# Altium PCB MCU014B_D1.PcbDoc (part 2 of 5) (continued)
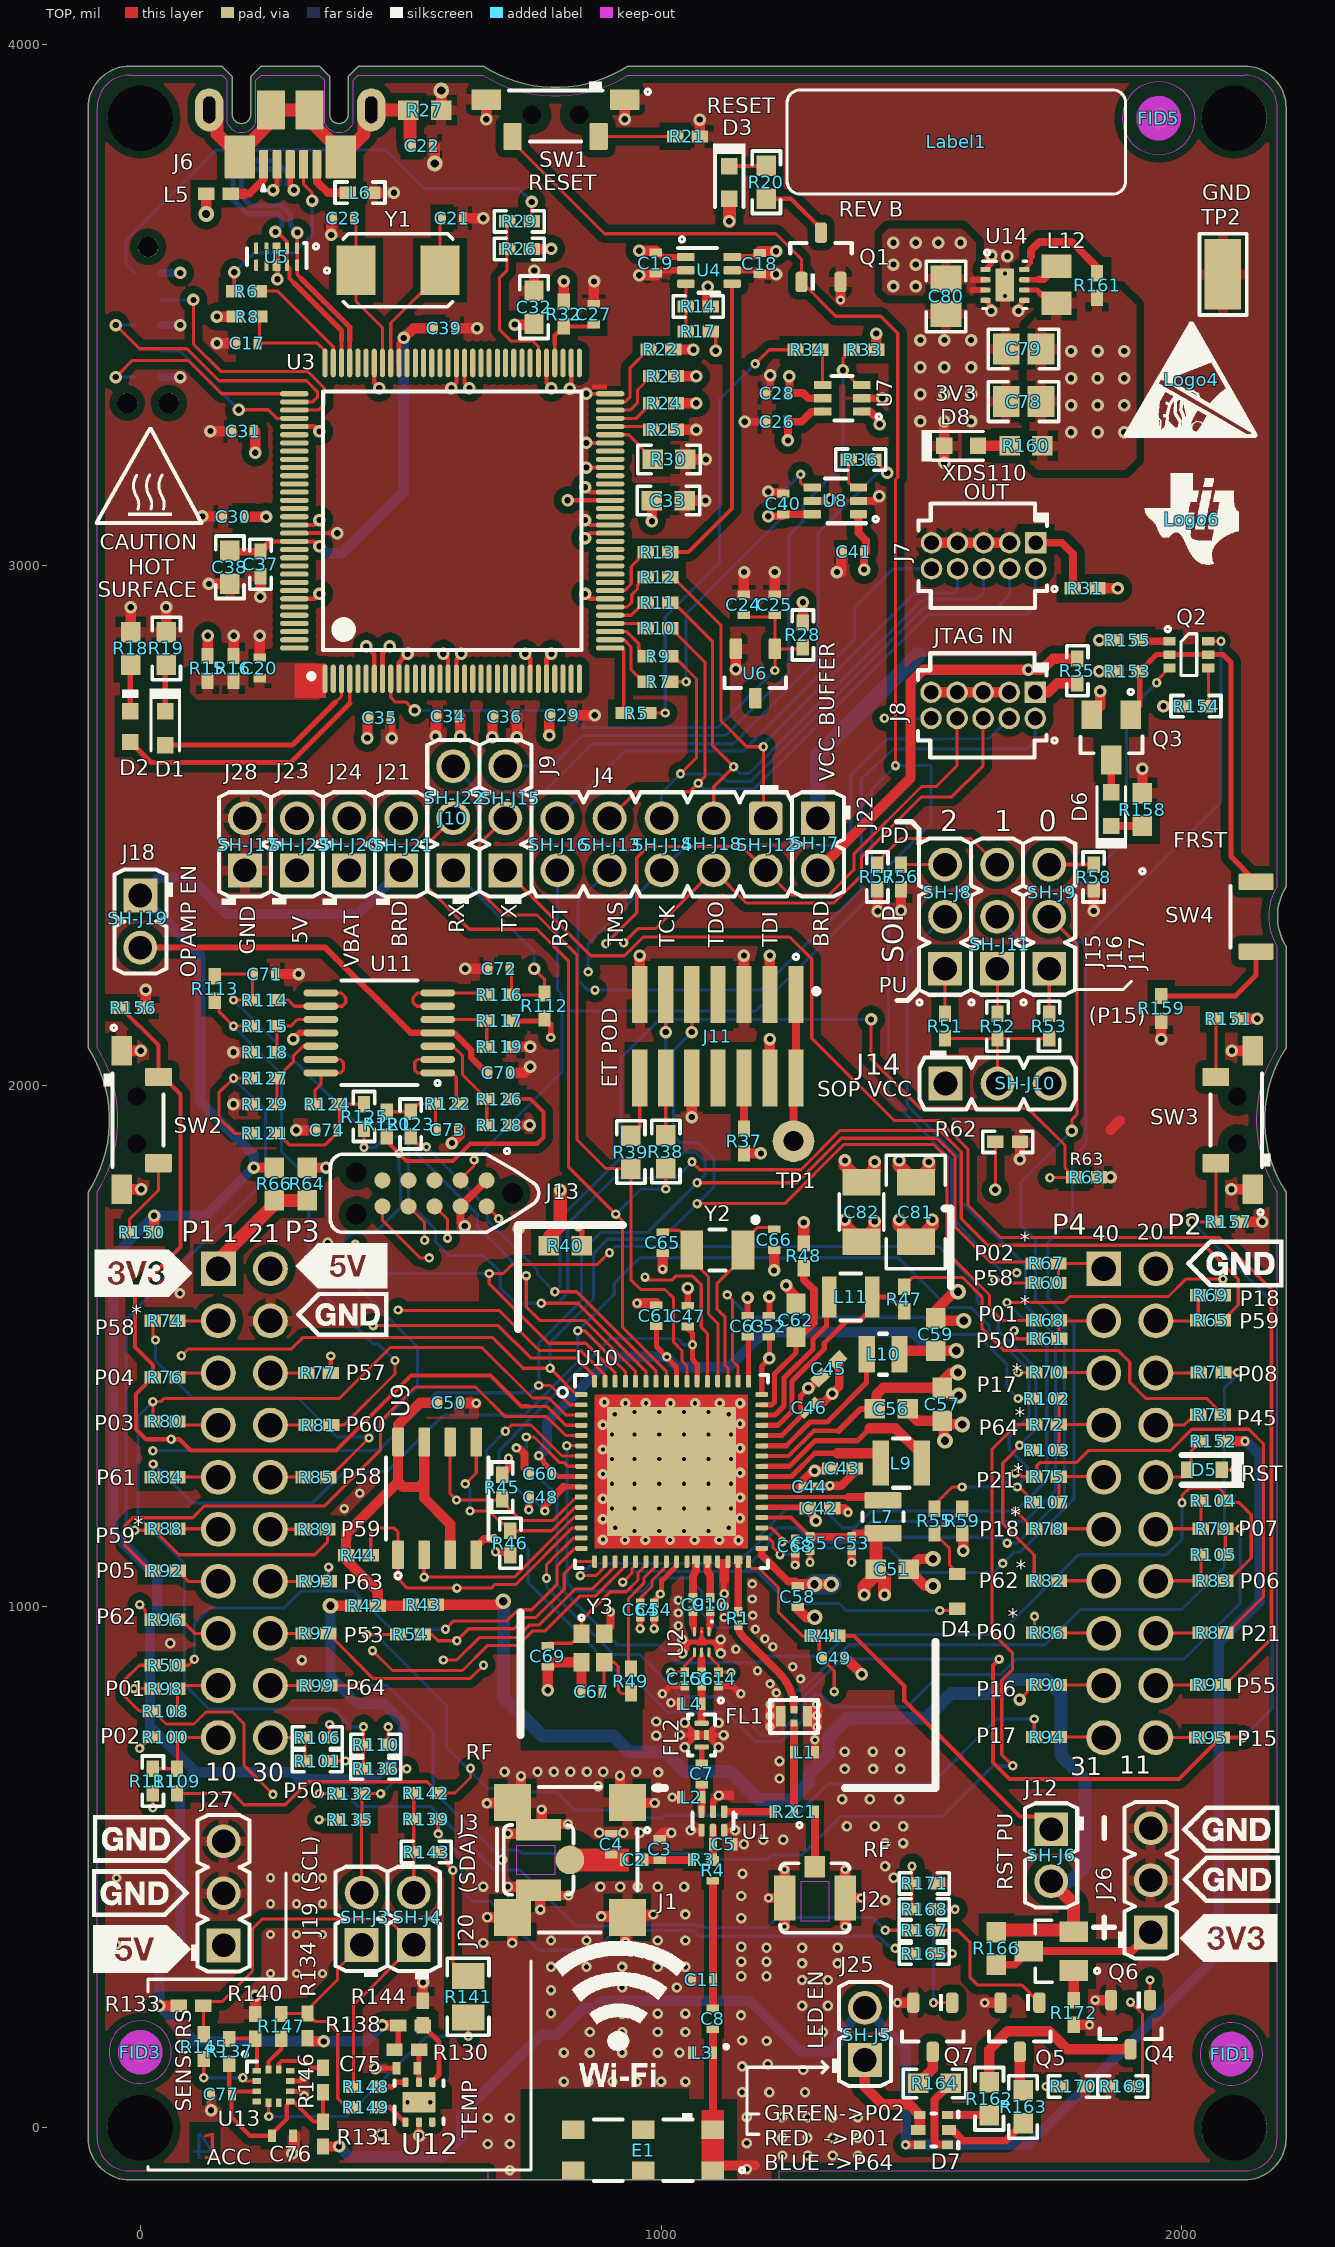
[diagram p0: TOP view]
## Part data (continued)
FL2: "Multilayer Band Pass Filter For 5GHz W-LAN/LTE-U", Alternate Manufacturer=----, Manufacturer=TDK, PartNumber=DEA165538BT-2236B1-H, Alternate PartNumber=----, ComponentLink1Description="Datasheet URL", ComponentLink1URL=https://sps06.itg.ti.com/sites/KMS/crossdivteams/altium/docs/ComponentDatasheets/DEA165538BT-2236B1-H_Ver_3_0_160802.pdf, CompType=Filter, LatestRevisionDate=09/03/2017, MountType=SMT, PackageReference=1.6x0.8mm, Publisher="Texas Instruments", RoHS=Y, SizeArea_mm2=1.28, SizeAreaWB_mm2=4.68, SizeX_mm=1.6, SizeY_mm=0.8, SizeZ_mm=0.65
J1: "Connector, SMA, Vertical, Gold, SMT", Alternate Manufacturer=??, Alternate PartNumber=SMA-050710, Manufacturer="Hus-Tsan Group Co., Ltd.", PartNumber=SMA-10V21-TGG, CNHeader=FALSE, ComponentLink1Description="Datasheet URL", ComponentLink1URL=https://sps06.itg.ti.com/sites/KMS/crossdivteams/altium/docs/ComponentDatasheets/SMA-10V21.pdf, CompType=SMA, CT=TRUE, LatestRevisionDate=26/05/2017, MountType=SMT, PackageReference="SMD, 4-Leads, Body 7.1x7.1mm", Publisher="Texas Instruments", RoHS=Y
J2 J3: library part CMP-0075320-1, "Receptacle, Ultra Miniature Coaxial, Male Pin, 50 ohm, SMT", Alternate Manufacturer=----, Color=Beige, Manufacturer="Hirose Electric Co. Ltd.", Supplier Part Number 1=H122041-ND, Alternate PartNumber=----, CNHeader=False, ComponentLink1Description="Datasheet URL", ComponentLink1URL=https://www.hirose.com/product/en/download_file/key_name/U.FL%2DR%2DSMT%2D1%2801%29/category/Drawing%20(2D)/doc_file_id/37625/?file_category_id=6&item_id=03310472201&is_series=, CompType=Receptacle, ContactFinish=Gold, CT=False, Gender=Female, LatestRevisionDate=2017-07-12, MountType=SMT, Orientation=Vertical, PackageReference="Ultra small CO-AX SMD", PartNumber=U.FL-R-SMT-1(01), PinCount=3, Publisher="Texas Instruments", RoHS=Y, Supplier 1=Digi-Key, Supplier 2=Newark, Supplier 3=Mouser, Supplier Part Number 2=18K7517, Supplier Part Number 3=798-U.FL-R-SMT01
J4: "Header, 2.54 mm, 5x2, Gold, TH", Alternate Manufacturer=----, Current_A=3A, Manufacturer="Wurth Elektronik", PartNumber=61301021121, Supplier Part Number 1=732-2672-ND, Voltage_V=250V, Alternate PartNumber=----, Cert_UL=Y, ClassName=Header, ComponentLink1Description="Datasheet URL", ComponentLink1URL=http://katalog.we-online.de/em/datasheet/6130xx21121.pdf, CompType=Header, ContactFinish=Gold, Gender=Male, Green_EU RoHS=Passed, Green_EU RoHS-2=Incomplete, Green_Lifecycle=Active, Green_REACh=Passed, MountType=TH, Orientation=Vertical, PackageReference="Header, 2.54mm, 5x2, TH", PinCount=10, Pitch_mm=2.54, RoHS=Y, Row_Count=2, RowSpacing_mm=2.54, Shrouded=N, Supplier 1=Digi-Key, Supplier 2=Newark, Supplier 3=Mouser, Supplier Part Number 2=16T0631, Supplier Part Number 3=710-61301021121
J5: "Footprint for Tag-Connect TC2050 No-Legs cables", Manufacturer=Tag-Connect, PartNumber=TC2050-IDC-NL-FP, CNHeader=False, ComponentLink1Description="Datasheet URL", ComponentLink1URL=http://www.tag-connect.com/Materials/TC2050-IDC-430-NL%20Datasheet.pdf, CompType=Receptacle, CT=False, LatestRevisionDate=2017-07-12, MountType=N/A, Note="Footprint only, to mate with Tag-Connect TC2050 No-Legs cables", PackageReference="Footprint for TC2050 No Legs series of cables", Publisher="Texas Instruments"
J6: "Receptacle, USB 2.0, Micro B, 5 Position, R/A, SMT", Alternate Manufacturer=----, Color=Black, Current_A=1.8A, Manufacturer=Molex, PartNumber=1051640001, Supplier Part Number 1=WM11263CT-ND, Voltage_V=30V, Alternate PartNumber=----, Cert_UL=Y, CNHeader=FALSE, ComponentLink1Description="Datasheet URL", ComponentLink1URL=http://www.molex.com/pdm_docs/sd/1051640001_sd.pdf, CompType=USB, ContactFinish=Gold, CT=TRUE, Gender=Female, LatestRevisionDate=26/05/2017, MountType=SMT, Orientation=R/A, PackageReference="Receptacle, USB 2.0, Micro B, 5 Pos, 0.65mm Pitch, R/A, SMT", PinCount=5, Pitch_mm=0.65, Publisher="Texas Instruments", RoHS=Y, Supplier 1=Digi-Key, Supplier 2=Newark, Supplier 3=Mouser, Supplier Part Number 2=99Y3224, Supplier Part Number 3=538-105164-0001
J7 J8: "Header, 1.27 mm, 5x2, Gold, TH", Alternate Manufacturer=----, Color=Black, Manufacturer=Samtec, PartNumber=FTSH-105-01-F-D-K, Supplier Part Number 1=FTSH-105-01-F-D-K-ND, Alternate PartNumber=----, CNHeader=False, ComponentLink1Description="Datasheet URL", ComponentLink1URL=https://www.samtec.com/ftppub/cpdf/FTSH-1XX-XX-XXX-D-XX-MKT.pdf, CompType=Header, ContactFinish=Gold, CT=False, Gender=Male, Green_EU RoHS=Passed, Green_EU RoHS-2=Passed, Green_Lifecycle=Active, Green_REACh=Passed, LatestRevisionDate=2017-07-12, MountType=TH, Orientation=Vertical, PackageReference="Header, 1.27 mm, 5x2, TH", PinCount=10, Pitch_mm=1.27, Publisher="Texas Instruments", RoHS=Y, Row_Count=2, RowSpacing_mm=1.27, Shrouded=Y, Supplier 1=Digi-Key, Supplier 2=Newark, Supplier Part Number 2=01R3389
J9 J10 J14 J15 J16 J17 J26 J27: "Header, 2.54 mm, 3x1, Gold, TH", Alternate Manufacturer=----, Manufacturer="Wurth Elektronik", PartNumber=61300311121, Supplier Part Number 1=732-5316-ND, Alternate PartNumber=----, ClassName=Header, CNHeader=TRUE, ComponentLink1Description="Datasheet URL", ComponentLink1URL=http://katalog.we-online.de/em/datasheet/6130xx11121.pdf, CompType=Header, CT=FALSE, Green_EU RoHS=Passed, Green_EU RoHS-2=Incomplete, Green_Lifecycle=Active, Green_REACh=Passed, LatestRevisionDate=26/05/2017, MountType=TH, PackageReference="Header, 2.54mm, 3x1, TH", Publisher="Texas Instruments", RoHS=Y, Supplier 1=Digi-Key, Supplier 2=Newark, Supplier 3=Farnell, Supplier Part Number 2=20X0950, Supplier Part Number 3=356154
J11: "Header, 1.27mm, 7x2, Gold, SMT", Alternate Manufacturer=----, Color=Black, Current_A=3.3A, Manufacturer=Samtec, PartNumber=FTSH-107-01-F-DV, Supplier Part Number 1=FTSH-107-01-F-DV-ND, Alternate PartNumber=----, Cert_UL=Y, ClassName=Header, CNHeader=TRUE, ComponentLink1Description="Datasheet URL", ComponentLink1URL=http://suddendocs.samtec.com/prints/ftsh-1xx-xx-xxx-dv-xxx-mkt.pdf, CompType=Header, ContactFinish=Gold, CT=FALSE, Gender=Male, Green_EU RoHS=Passed, Green_EU RoHS-2=Passed, Green_Lifecycle=Active, Green_REACh=Passed, LatestRevisionDate=26/05/2017, MountType=SMT, Orientation=Vertical, PackageReference="Header, 1.27mm, 7x2, SMT", PinCount=14, Pitch_mm=1.27, Publisher="Texas Instruments", RoHS=Y, Row_Count=2, RowSpacing_mm=1.27, Shrouded=N, Supplier 1=Digi-Key, Supplier 2=Newark, Supplier Part Number 2=01R3946
J12 J18 J19 J20 J21 J22 J23 J24 J25 J28: "Header, 2.54 mm, 2x1, Gold, TH", Alternate Manufacturer=----, Manufacturer="Wurth Elektronik", PartNumber=61300211121, Supplier Part Number 1=732-5315-ND, Alternate PartNumber=----, ClassName=Header, CNHeader=TRUE, ComponentLink1Description="Datasheet URL", ComponentLink1URL=http://katalog.we-online.de/em/datasheet/6130xx11121.pdf, CompType=Header, CT=FALSE, Green_EU RoHS=Passed, Green_EU RoHS-2=Incomplete, Green_Lifecycle=Active, Green_REACh=Passed, LatestRevisionDate=26/05/2017, MountType=TH, PackageReference="Header, 2.54mm, 2x1, TH", Publisher="Texas Instruments", RoHS=Y, Supplier 1=Digi-Key, Supplier 2=Newark, Supplier 3=Mouser, Supplier Part Number 2=20X0948, Supplier Part Number 3=710-61300211121
J13: library part CMP-0075101-1, "Footprint for Tag-Connect TC2050 No-Legs cables", Manufacturer=Tag-Connect, CNHeader=False, ComponentLink1Description="Datasheet URL", ComponentLink1URL=http://www.tag-connect.com/Materials/TC2050-IDC-430-NL%20Datasheet.pdf, CompType=Receptacle, CT=False, LatestRevisionDate=2017-07-12, MountType=N/A, Note="Footprint only, to mate with Tag-Connect TC2050 No-Legs cables", PackageReference="Footprint for TC2050 No Legs series of cables", PartNumber=TC2050-IDC-NL-FP, Publisher="Texas Instruments"
L1: library part CMP-0080371-1, "Inductor, Multilayer, Air Core, 22 nH, 0.35 A, 0.42 ohm, AEC-Q200 Grade 1, SMD", Manufacturer=MuRata, Supplier Part Number 1=490-15154-1-ND, Value1="0.42 ohm", Value2=0.35A, ValueDisplayed=22nH, AEC Category=Q200, AEC Grade=1, AEC Qualified=Y, ComponentLink1Description="Datasheet link", ComponentLink1URL=https://search.murata.co.jp/Ceramy/image/img/P02/JELF243B-9110.pdf, CompType=Inductor, DCR_ohm=0.42, Imax_A=350mA, Ind_H=22nH, Irms="0.35A @ 25C rise", Material="Air Core", MountType=SMT, PackageReference=0402, PartNumber=LQG15HZ22NH02D, RoHS=Y, SizeArea_mm2=0.5, SizeAreaWB_mm2=3, SizeX_mm=1, SizeY_mm=0.5, SizeZ_mm=0.55, Supplier 1=Digi-Key, Supplier 2=Mouser, Supplier Part Number 2=81-LQG15HZ22NH02D, Technology=Multilayer
L2: library part CMP-0080372-1, "Inductor, Multilayer, Air Core, 6.8 nH, 0.6 A, 0.22 ohm, AEC-Q200 Grade 1, SMD", Manufacturer=MuRata, Supplier Part Number 1=490-15174-1-ND, Value1="0.22 ohm", Value2=0.6A, ValueDisplayed=6.8nH, AEC Category=Q200, AEC Grade=1, AEC Qualified=Y, ComponentLink1Description="Datasheet link", ComponentLink1URL=https://search.murata.co.jp/Ceramy/image/img/P02/JELF243B-9110.pdf, CompType=Inductor, DCR_ohm=0.22, Imax_A=600mA, Ind_H=6.8nH, Irms="0.6A @ 25C rise", Material="Air Core", MountType=SMT, PackageReference=0402, PartNumber=LQG15HZ6N8H02D, RoHS=Y, SizeArea_mm2=0.5, SizeAreaWB_mm2=3, SizeX_mm=1, SizeY_mm=0.5, SizeZ_mm=0.55, Supplier 1=Digi-Key, Supplier 2=Mouser, Supplier Part Number 2=81-LQG15HZ6N8H02D, Technology=Multilayer
L3: "Inductor, Multilayer, Air Core, 3.9 nH, 0.75 A, 0.14 ohm, SMD", Manufacturer=MuRata, PartNumber=LQG15HS3N9S02D, Supplier Part Number 1=490-2617-1-ND, Value1="0.14 ohm", Value2=0.75A, ValueDisplayed=3.9nH, AEC Category=Q200, AEC Grade=N/A, AEC Qualified=N, ComponentLink1Description="Datasheet link", ComponentLink1URL=https://search.murata.co.jp/Ceramy/image/img/P02/JELF243B-0010.pdf, CompType=Inductor, DCR_ohm=0.14, Green_EU RoHS=Passed, Green_EU RoHS-2=Incomplete, Green_Lifecycle=Active, Green_REACh=Passed, Imax_A=750mA, Ind_H=3.9nH, Irms="0.75A @ 25C rise", Material="Air Core", MountType=SMT, PackageReference="0402 polarized", RoHS=Y, SizeArea_mm2=0.5, SizeAreaWB_mm2=3, SizeX_mm=1, SizeY_mm=0.5, SizeZ_mm=0.55, Supplier 1=Digi-Key, Supplier 2=Mouser, Supplier Part Number 2=81-LQG15HS3N9S02D, Technology=Multilayer
L4: library part CMP-0080374-1, "Inductor, Multilayer, Air Core, 2.7 nH, 0.9 A, 0.07 ohm, AEC-Q200 Grade 1, SMD", Manufacturer=MuRata, Supplier Part Number 1=490-15215-1-ND, Value1="0.07 ohm", Value2=0.9A, ValueDisplayed=2.7nH, AEC Category=Q200, AEC Grade=1, AEC Qualified=Y, ComponentLink1Description="Datasheet link", ComponentLink1URL=https://search.murata.co.jp/Ceramy/image/img/P02/JELF243B-9118.pdf, CompType=Inductor, DCR_ohm=0.07, Imax_A=900mA, Ind_H=2.7nH, Irms="0.9A @ 25C rise", Material="Air Core", MountType=SMT, PackageReference=0402, PartNumber=LQG15WH2N7C02D, RoHS=Y, SizeArea_mm2=0.6, SizeAreaWB_mm2=3.2, SizeX_mm=1, SizeY_mm=0.6, SizeZ_mm=0.6, Supplier 1=Digi-Key, Supplier 2=Mouser, Supplier Part Number 2=81-LQG15WH2N7C02D, Technology=Multilayer
L5 L6: "Ferrite Bead, 10 ohm @ 100 MHz, 1 A, 0402", Alternate Manufacturer=----, Manufacturer=MuRata, PartNumber=BLM15AG100SN1D, Supplier Part Number 1=490-5176-1-ND, Value1="0.025 ohm", Value2=1A, ValueDisplayed="10 ohm", Alternate PartNumber=----, ComponentLink1Description="Datasheet link", ComponentLink1URL=http://search.murata.co.jp/Ceramy/image/img/PDF/ENG/L0110S0100BLM15AG_SN.pdf, CompType="Ferrite Bead", DCR_ohm=0.025, Imax_A=1A, LatestRevisionDate=2017-03-09, MountType=SMT, PackageReference=0402, Published=2014-04-30, Publisher="Texas Instruments", RoHS=Y, SizeArea_mm2=0.5, SizeAreaWB_mm2=3, SizeX_mm=1, SizeY_mm=0.5, SizeZ_mm=0.6, Supplier 1=Digi-Key, Supplier 2=Newark, Supplier 3=Mouser, Supplier Part Number 2=73M9021, Supplier Part Number 3=81-BLM15AG100SN1D, ZTyp@100MHz_Ohm=10
L7 L10: "Inductor, Multilayer, Ferrite, 2.2 uH, 1.2 A, 0.11 ohm, SMD", Alternate Manufacturer=----, Manufacturer=MuRata, PartNumber=LQM2MPN2R2NG0, Supplier Part Number 1=490-7786-1-ND, Value1="0.11 ohm", Value2=1.2A, ValueDisplayed=2.2uH, AEC Category=Q200, AEC Grade=N/A, AEC Qualified=N, Alternate PartNumber=----, ComponentLink1Description="Datasheet link", ComponentLink1URL=http://www.murata.com/~/media/webrenewal/support/library/catalog/products/inductor/chip/o05e.ashx, CompType=Inductor, DCR_ohm=1.1d, Imax_A=1.2A, Ind_H=2.2µH, Irms="1.2A @ 40C rise", LatestRevisionDate=2017-06-02, Material=Ferrite, MountType=SMT, PackageReference=2.0x1.6mm, Published=2008-06-26, Publisher="Texas Instruments", RoHS=Y, SizeArea_mm2=3.2, SizeAreaWB_mm2=7.8, SizeX_mm=2, SizeY_mm=1.6, SizeZ_mm=1, Supplier 1=Digi-Key, Supplier 2=Newark, Supplier 3=Mouser, Supplier Part Number 2=45Y5442, Supplier Part Number 3=81-LQM2MPN2R2NG0L, Technology=Multilayer
L9: "Inductor, Multilayer, Ferrite, 1 uH, 1.6 A, 0.055 ohm, SMD", Alternate Manufacturer=----, Manufacturer=MuRata, PartNumber=LQM2HPN1R0MG0L, Supplier Part Number 1=490-5112-1-ND, Value1="0.055 ohm", Value2=1.6A, ValueDisplayed=1uH, AEC Category=Q200, AEC Qualified=?, Alternate PartNumber=----, ComponentLink1Description="Datasheet link", ComponentLink1URL=http://psearch.murata.com/inductor/product/LQM2HPN1R0MG0%23.pdf, CompType=Inductor, DCR_ohm=0.055, Green_EU RoHS=Passed, Green_EU RoHS-2=Incomplete, Green_Lifecycle=Active, Green_REACh=Passed, Imax_A=1.6A, Ind_H=1µH, Irms="1.6A @ 40C rise", LatestRevisionDate=2017-06-02, Material=Ferrite, MountType=SMT, PackageReference="SMD, Body 2.5x2mm, Height 1.2mm", Published=2008-06-26, Publisher="Texas Instruments", RoHS=Y, SizeArea_mm2=5, SizeAreaWB_mm2=10.5, SizeX_mm=2.5, SizeY_mm=2, SizeZ_mm=1.2, Supplier 1=Digi-Key, Supplier 2=Mouser, Supplier Part Number 2=81-LQM2HPN1R0MG0L, Technology=Multilayer
L11: "Inductor, Multilayer, Ferrite, 10 uH, 0.7 A, 0.364 ohm, SMD", Alternate Manufacturer=----, Manufacturer=TDK, PartNumber=MLP2520S100MT0S1, Supplier Part Number 1=445-9504-1-ND, Value1="0.364 ohm", Value2=0.7A, ValueDisplayed=10uH, AEC Category=Q200, AEC Grade=N/A, AEC Qualified=N, Alternate PartNumber=----, ComponentLink1Description="Datasheet link", ComponentLink1URL=https://product.tdk.com/info/en/catalog/datasheets/inductor_commercial_power_mlp2520_en.pdf, CompType=Inductor, DCR_ohm=3.64d, Imax_A=7dA, Ind_H=10µH, Irms="0.7A @ 40C rise", LatestRevisionDate=2017-06-02, Material=Ferrite, MountType=SMT, PackageReference="Inductor, 2.5x0.85x2mm", Published=2008-06-26, Publisher="Texas Instruments", RoHS=Y, SizeArea_mm2=5.94, SizeAreaWB_mm2=11.84, SizeX_mm=2.7, SizeY_mm=2.2, SizeZ_mm=1, Supplier 1=Digi-Key, Supplier 2=Newark, Supplier 3=Mouser, Supplier Part Number 2=75X8736, Supplier Part Number 3=810-MLP2520S100MT0S1, Technology=Multilayer
L12: "Inductor, Wirewound, 2.2 uH, 1 A, 0.143 ohm, SMD", Alternate Manufacturer=----, Manufacturer="Taiyo Yuden", PartNumber=BRC2012T2R2MD, Supplier Part Number 1=587-2905-1-ND, Value1="0.143 ohm", Value2=1A, ValueDisplayed=2.2uH, AEC Category=Q200, AEC Qualified=?, Alternate PartNumber=----, ComponentLink1Description="Datasheet link", ComponentLink1URL=http://www.yuden.co.jp/ut/product/category/inductor/BRC2012T2R2MD.pdf, CompType=Inductor, DCR_ohm=1.43d, Green_EU RoHS=Passed, Green_EU RoHS-2=Passed, Green_Lifecycle=Active, Green_REACh=Passed, Imax_A=1A, Ind_H=2.2µH, Irms="1A @ 40C rise", Isat="1.1A @ 30% inductance drop", LatestRevisionDate=2017-06-02, Material=?, MountType=SMT, PackageReference=0805, Published=2008-06-26, Publisher="Texas Instruments", RoHS=Y, SizeArea_mm2=2.5, SizeAreaWB_mm2=6.75, SizeX_mm=2, SizeY_mm=1.25, SizeZ_mm=1.45, Supplier 1=Digi-Key, Supplier 2=Newark, Supplier 3=Mouser, Supplier Part Number 2=46T8527, Supplier Part Number 3=963-BRC2012T2R2MD, Technology=Wirewound
Label1: "Thermal Transfer Printable Labels, 0.650\" W x 0.200\" H - 10,000 per roll", Alternate Manufacturer=----, Manufacturer=Brady, PartNumber=THT-14-423-10, Supplier Part Number 1=97C5133, Alternate PartNumber=----, ClassName=Label, ComponentLink1Description="Web Page", ComponentLink1URL=http://www.bradyid.com/bradyid/pdpv/THT-14-423-10.html, CompType=Label, Key=THT-14-423-10, LatestRevisionDate=2017-03-09, MountType=N/A, Note="Size: 0.65\" x 0.20 \"", PackageReference="PCB Label 0.650 x 0.200 inch", Publisher="Texas Instruments", RoHS=Y, Supplier 1=Newark, Supplier 2=Farnell, Supplier Part Number 2=2065596
Logo1: library part CMP-0074769-1, Lib Reference="WEEE logo", PartNumber="WEEE logo"
Logo2 Logo6: library part CMP-0074838-1, "Texas Instrument Corporate Signature", ClassName=Logo, LatestRevisionDate=2017-07-06, Lib Reference=TI_Logo, PartNumber="Texas Instruments", Published=2009-03-03, Publisher="Texas Instruments", SymbolCreator=a0412235, SymbolVersion=2011-08-22
Logo3: library part CMP-0074847-1, "FCC_disclaimer", LatestRevisionDate=2017-07-06, Lib Reference=FCC_disclaimer, PartNumber="FCC disclaimer", Published=2009-03-03, Publisher="Texas Instruments"
Logo4: library part CMP-0074840-1, "ESD Susceptible Symbol", LatestRevisionDate=2017-07-06, Lib Reference=ESD_Susceptible, PartNumber="ESD Susceptible", Published=2009-03-03, Publisher="Texas Instruments", SymbolCreator=a0412235, SymbolVersion=2011-08-22
Logo5: "CE Mark", LatestRevisionDate=2017-07-06, Lib Reference="CE Mark", PartNumber="CE Mark", Published=2009-03-03, Publisher="Texas Instruments", SymbolCreator=a0412235
P1 P2: library part CMP-0075108-1, "Receptacle, 2.54 mm, 10x2, Gold, TH", Alternate PartNumber="Order Directly from Major League", Manufacturer="Major League Electronics", CNHeader=False, ComponentLink1Description="Datasheet URL", ComponentLink1URL=https://sps06.itg.ti.com/sites/KMS/crossdivteams/altium/docs/ComponentDatasheets/081413-A.PDF, CompType=Receptacle, CT=False, Green_EU RoHS=Incomplete, Green_EU RoHS-2=Incomplete, Green_Lifecycle="Not Set", Green_REACh=Incomplete, LatestRevisionDate=2017-07-12, MountType=TH, PackageReference="Receptacle, 2.54 mm, 10x2, TH", PartNumber=CRD-081413-A-G, Publisher="Texas Instruments", RoHS=Y
Q1 Q4 Q5 Q7: "MOSFET, N-CH, 50 V, 0.22 A, SOT-23", Alternate Manufacturer=ON, Alternate PartNumber=BSS138LT1G, Manufacturer="Fairchild Semiconductor", PartNumber=BSS138, Supplier Part Number 1=BSS138CT-ND, Value2="1.7 nC", AEC Category=Q101, AEC Qualified=?, ChType=N, ComponentLink1Description="Datasheet link", ComponentLink1URL=http://www.fairchildsemi.com/ds/BS/BSS138.pdf, CompType=MOSFET, IdsMax_A=2.2dA, LatestRevisionDate=2017-03-09, LatestRevisionNote="Added parts.", MountType=SMT, PackageReference=SOT-23, Published=2008-06-19, Publisher="Texas Instruments", QgTyp_nC=1.7, Rdson45_ohm=6, RoHS=Y, SizeArea_mm2=7.5, SizeAreaWB_mm2=14, SizeX_mm=2.5, SizeY_mm=3, SizeZ_mm=1.1, Supplier 1=Digi-Key, Supplier 2=Newark, Supplier 3=Mouser, Supplier Part Number 2=58K8769, Supplier Part Number 3=512-BSS138, U/M=EA, VdsMax_V=50V, Vgs_V=20V
Q2: "MOSFET, 2-CH, P-CH, -50 V, -0.13 A, AEC-Q101, SOT-363", Alternate Manufacturer=----, Manufacturer="Diodes Inc.", PartNumber=BSS84DW-7-F, Supplier Part Number 1=BSS84DW-FDICT-ND, AEC Category=Q101, AEC Qualified=Y, Alternate PartNumber=----, ChType=P, ComponentLink1Description="Datasheet link", ComponentLink1URL=http://www.diodes.com/_files/datasheets/ds30204.pdf, CompType=MOSFET, IdsMax_A=-1.3dA, LatestRevisionDate=2017-03-09, LatestRevisionNote="Added parts.", MountType=SMT, PackageReference=SOT-363, Published=2008-06-19, Publisher="Texas Instruments", RoHS=Y, SizeArea_mm2=4.84, SizeAreaWB_mm2=10.24, SizeX_mm=2.2, SizeY_mm=2.2, SizeZ_mm=1.1, Supplier 1=Digi-Key, Supplier 2=Newark, Supplier 3=Mouser, Supplier Part Number 2=25R4431, Supplier Part Number 3=621-BSS84DW-F, U/M=EA, VdsMax_V=-50V, Vgs_V=-20V
Q3 Q6: "MOSFET, P-CH, -30 V, -1.5 A, SSOT-3", Alternate Manufacturer=----, Manufacturer="Fairchild Semiconductor", PartNumber=FDN358P, Supplier Part Number 1=FDN358PCT-ND, Value1=0, Value2="4 nC", AEC Category=Q101, AEC Qualified=?, Alternate PartNumber=----, ChType=P, ComponentLink1Description="Datasheet link", ComponentLink1URL=http://www.fairchildsemi.com/ds/FD/FDN358P.pdf, CompType=MOSFET, IdsMax_A=-1.5A, LatestRevisionDate=2017-03-09, LatestRevisionNote="Added parts.", MountType=SMT, PackageReference=SSOT-3, Published=2008-06-19, Publisher="Texas Instruments", QgTyp_nC=4, Rdson45_ohm=2d, RoHS=Y, SizeArea_mm2=7.3584, SizeAreaWB_mm2=13.7984, SizeX_mm=2.92, SizeY_mm=2.52, SizeZ_mm=1.12, Supplier 1=Digi-Key, Supplier 2=Newark, Supplier 3=Mouser, Supplier Part Number 2=32C6163, Supplier Part Number 3=512-FDN358P, U/M=EA, VdsMax_V=-30V, Vgs_V=-20V
R1: library part CMP-0027008-4, "RES, 0, 5%, 0.05 W, 0201", Manufacturer=Vishay-Dale, Power_W=50mW, Supplier Part Number 1=72M6743, TempCo=ppm/C, Tolerance_%=5%, Value2=0.05W, Value_Code=0000, ValueDisplayed=0, AEC Category=Q200, AEC Grade=N/A, AEC Qualified=N, ComponentLink1Description="Datasheet link", ComponentLink1URL=http://www.vishay.com/docs/20052/crcw0201e3.pdf, CompType=Resistor, EIA_Code=E24, MountType=SMT, PackageReference=0201, PartNumber=CRCW02010000Z0ED, Res_ohm=0, RoHS=E, SizeArea_mm2=0.18, SizeX_mm=0.6, SizeY_mm=0.3, SizeZ_mm=0.26, Supplier 1=Newark, Technology="Thick Film", Value1=5%
R2 R3 R4 R6 R42 R43 R47 R48 R49 R50 R54 R60 R61 R65 R67 R68 R69 R70 R71 R72 R73 R74 R75 R76 R77 R78 R79 R80 R81 R82 R83 R84 R85 R86 R87 R88 R89 R90 R91 R92 R93 R94 R95 R96 R97 R98 R99 R100 R101 R102 R103 R104 R105 R106 R107 R108 R109 R110 R111 R112 R113 R120 R121 R123 R125 R130 R131 R132 R135 R136 R137 R138 R139 R140 R142 R143 R144 R145 R146 R147 R148 R149 R165 R167 R168 R172: "RES, 0, 5%, 0.063 W, 0402", Alternate Manufacturer=YAGEO, Alternate PartNumber=RC0402JR-070RL, Manufacturer=Panasonic, PartNumber=ERJ-2GE0R00X, Power_W=63mW, Supplier Part Number 1=P0.0JCT-ND, TempCo="600 ppm/C", Tolerance_%=5%, Value2=0.063W, Value_Code=0000, ValueDisplayed=0, AEC Category=Q200, AEC Qualified=?, ComponentLink1Description="Datasheet link", ComponentLink1URL=http://www.panasonic.com/industrial/components/pdf/AOA0000CE1.pdf, CompType=Resistor, EIA_Code=E24, LatestRevisionDate=2017-03-09, MountType=SMT, PackageReference=0402, Published=2008-06-26, Publisher="Texas Instruments", Res_ohm=0, RoHS=Y, SizeArea_mm2=0.5, SizeX_mm=1, SizeY_mm=0.5, SizeZ_mm=0.6, Supplier 1=Digi-Key, Supplier 2=Newark, Supplier 3=Mouser, Supplier Part Number 2=65T8307, Supplier Part Number 3=667-ERJ-2GE0R00X, Technology="Thick Film", U/M=EA, Value1=5%, VDC_V=50V
R5 R7 R9 R10 R11 R12 R13 R34 R36: "RES, 33.0, 1%, 0.1 W, 0402", Alternate Manufacturer=YAGEO, Alternate PartNumber=RC0402FR-0733RL, Manufacturer=Panasonic, PartNumber=ERJ-2RKF33R0X, Power_W=100mW, Supplier Part Number 1=P33.0LCT-ND, TempCo="100 ppm/C", Tolerance_%=1%, Value2=0.1W, Value_Code=33R0, ValueDisplayed=33.0, AEC Category=Q200, AEC Qualified=?, ComponentLink1Description="Datasheet link", ComponentLink1URL=http://industrial.panasonic.com/www-data/pdf/AOA0000/AOA0000CE2.pdf, CompType=Resistor, LatestRevisionDate=2017-03-09, MountType=SMT, PackageReference=0402, Published=2008-06-26, Publisher="Texas Instruments", Res_ohm=33, RoHS=Y, SizeArea_mm2=0.5, SizeX_mm=1, SizeY_mm=0.5, SizeZ_mm=0.6, Supplier 1=Digi-Key, Supplier 2=Newark, Supplier 3=Mouser, Supplier Part Number 2=90W3028, Supplier Part Number 3=667-ERJ-2RKF33R0X, Technology="Thick Film", U/M=EA, Value1=1%, VDC_V=50V
R8: "RES, 100, 5%, 0.063 W, AEC-Q200 Grade 0, 0402", Alternate Manufacturer=YAGEO, Alternate PartNumber=RC0402JR-07100RL, Manufacturer=Vishay-Dale, PartNumber=CRCW0402100RJNED, Power_W=63mW, Supplier Part Number 1=541-100JCT-ND, TempCo="200 ppm/C", Tolerance_%=5%, Value2=0.063W, Value_Code=100R, ValueDisplayed=100, AEC Category=Q200, AEC Grade=0, AEC Qualified=Y, ComponentLink1Description="Datasheet link", ComponentLink1URL=http://www.vishay.com/docs/20035/dcrcwe3.pdf, CompType=Resistor, EIA_Code=E24, MountType=SMT, PackageReference=0402, Res_ohm=100, RoHS=E, SizeArea_mm2=0.5, SizeX_mm=1, SizeY_mm=0.5, SizeZ_mm=0.6, Supplier 1=Digi-Key, Supplier 2=Newark, Supplier 3=Mouser, Supplier Part Number 2=59M6700, Supplier Part Number 3=71-CRCW0402J-100-E3, Technology="Thick Film", Value1=5%, VDC_V=50V
R14 R33 R41 R44 R45 R46 R56 R62 R63 R152 R161 R169 R170 R171: "RES, 100 k, 5%, 0.063 W, AEC-Q200 Grade 0, 0402", Alternate Manufacturer=YAGEO, Alternate PartNumber=RC0402JR-07100KL, Manufacturer=Vishay-Dale, PartNumber=CRCW0402100KJNED, Power_W=63mW, Supplier Part Number 1=541-100KJCT-ND, TempCo="200 ppm/C", Tolerance_%=5%, Value2=0.063W, Value_Code=100k, AEC Category=Q200, AEC Grade=0, AEC Qualified=Y, ComponentLink1Description="Datasheet link", ComponentLink1URL=http://www.vishay.com/docs/20035/dcrcwe3.pdf, CompType=Resistor, EIA_Code=E24, MountType=SMT, PackageReference=0402, Res_ohm=100k, RoHS=E, SizeArea_mm2=0.5, SizeX_mm=1, SizeY_mm=0.5, SizeZ_mm=0.6, Supplier 1=Digi-Key, Supplier 2=Newark, Supplier 3=Mouser, Supplier Part Number 2=59M6699, Supplier Part Number 3=71-CRCW0402J-100K-E3, Technology="Thick Film", Value1=5%, ValueDisplayed=100k, VDC_V=50V
R15: "RES, 330 k, 5%, 0.063 W, AEC-Q200 Grade 0, 0402", Alternate Manufacturer=YAGEO, Alternate PartNumber=RC0402JR-07330KL, Manufacturer=Vishay-Dale, PartNumber=CRCW0402330KJNED, Power_W=63mW, Supplier Part Number 1=541-330KJCT-ND, TempCo="200 ppm/C", Tolerance_%=5%, Value2=0.063W, Value_Code=330k, AEC Category=Q200, AEC Grade=0, AEC Qualified=Y, ComponentLink1Description="Datasheet link", ComponentLink1URL=http://www.vishay.com/docs/20035/dcrcwe3.pdf, CompType=Resistor, EIA_Code=E24, MountType=SMT, PackageReference=0402, Res_ohm=330k, RoHS=E, SizeArea_mm2=0.5, SizeX_mm=1, SizeY_mm=0.5, SizeZ_mm=0.6, Supplier 1=Digi-Key, Technology="Thick Film", Value1=5%, ValueDisplayed=330k, VDC_V=50V
R16: "RES, 220 k, 5%, 0.063 W, AEC-Q200 Grade 0, 0402", Alternate Manufacturer=YAGEO, Alternate PartNumber=RC0402JR-07220KL, Manufacturer=Vishay-Dale, PartNumber=CRCW0402220KJNED, Power_W=63mW, Supplier Part Number 1=541-220KJCT-ND, TempCo="200 ppm/C", Tolerance_%=5%, Value2=0.063W, Value_Code=220k, AEC Category=Q200, AEC Grade=0, AEC Qualified=Y, ComponentLink1Description="Datasheet link", ComponentLink1URL=http://www.vishay.com/docs/20035/dcrcwe3.pdf, CompType=Resistor, EIA_Code=E24, MountType=SMT, PackageReference=0402, Res_ohm=220k, RoHS=E, SizeArea_mm2=0.5, SizeX_mm=1, SizeY_mm=0.5, SizeZ_mm=0.6, Supplier 1=Digi-Key, Supplier 2=Newark, Supplier 3=Mouser, Supplier Part Number 2=59M6717, Supplier Part Number 3=71-CRCW0402J-220K-E3, Technology="Thick Film", Value1=5%, ValueDisplayed=220k, VDC_V=50V
R17 R26 R59 R154 R155 R156 R157: "RES, 10 k, 5%, 0.063 W, AEC-Q200 Grade 0, 0402", Alternate Manufacturer=YAGEO, Alternate PartNumber=RC0402JR-0710KL, Manufacturer=Vishay-Dale, PartNumber=CRCW040210K0JNED, Power_W=63mW, Supplier Part Number 1=541-10KJCT-ND, TempCo="200 ppm/C", Tolerance_%=5%, Value2=0.063W, Value_Code=10k0, ValueDisplayed=10k, AEC Category=Q200, AEC Grade=0, AEC Qualified=Y, ComponentLink1Description="Datasheet link", ComponentLink1URL=http://www.vishay.com/docs/20035/dcrcwe3.pdf, CompType=Resistor, EIA_Code=E24, MountType=SMT, PackageReference=0402, Res_ohm=10k, RoHS=E, SizeArea_mm2=0.5, SizeX_mm=1, SizeY_mm=0.5, SizeZ_mm=0.6, Supplier 1=Digi-Key, Supplier 2=Newark, Supplier 3=Mouser, Supplier Part Number 2=59M6696, Supplier Part Number 3=71-CRCW0402J-10K-E3, Technology="Thick Film", Value1=5%, VDC_V=50V
R18 R19: "RES, 220, 5%, 0.1 W, AEC-Q200 Grade 0, 0603", Alternate Manufacturer=YAGEO, Alternate PartNumber=RC0603JR-07220RL, Manufacturer=Vishay-Dale, PartNumber=CRCW0603220RJNEA, Power_W=100mW, Supplier Part Number 1=541-220GCT-ND, TempCo="200 ppm/C", Tolerance_%=5%, Value2=0.1W, Value_Code=220R, ValueDisplayed=220, AEC Category=Q200, AEC Grade=0, AEC Qualified=Y, ComponentLink1Description="Datasheet link", ComponentLink1URL=http://www.vishay.com/docs/20035/dcrcwe3.pdf, CompType=Resistor, EIA_Code=E24, MountType=SMT, PackageReference=0603, Res_ohm=220, RoHS=E, SizeArea_mm2=1.28, SizeX_mm=1.6, SizeY_mm=0.8, SizeZ_mm=1, Supplier 1=Digi-Key, Supplier 2=Newark, Supplier 3=Mouser, Supplier Part Number 2=59M6789, Supplier Part Number 3=71-CRCW0603J-220-E3, Technology="Thick Film", Value1=5%, VDC_V=75V
R20 R158 R160: "RES, 270, 5%, 0.1 W, AEC-Q200 Grade 0, 0603", Alternate Manufacturer=YAGEO, Alternate PartNumber=RC0603JR-07270RL, Manufacturer=Vishay-Dale, PartNumber=CRCW0603270RJNEA, Power_W=100mW, Supplier Part Number 1=541-270GCT-ND, TempCo="200 ppm/C", Tolerance_%=5%, Value2=0.1W, Value_Code=270R, ValueDisplayed=270, AEC Category=Q200, AEC Grade=0, AEC Qualified=Y, ComponentLink1Description="Datasheet link", ComponentLink1URL=http://www.vishay.com/docs/20035/dcrcwe3.pdf, CompType=Resistor, EIA_Code=E24, MountType=SMT, PackageReference=0603, Res_ohm=270, RoHS=E, SizeArea_mm2=1.28, SizeX_mm=1.6, SizeY_mm=0.8, SizeZ_mm=1, Supplier 1=Digi-Key, Supplier 2=Newark, Supplier 3=Mouser, Supplier Part Number 2=59M6795, Supplier Part Number 3=71-CRCW0603J-270-E3, Technology="Thick Film", Value1=5%, VDC_V=75V
R21: "RES, 100, 1%, 0.1 W, 0402", Alternate Manufacturer=YAGEO, Alternate PartNumber=RC0402FR-07100RL, Manufacturer=Panasonic, PartNumber=ERJ-2RKF1000X, Power_W=100mW, Supplier Part Number 1=P100LCT-ND, TempCo="100 ppm/C", Tolerance_%=1%, Value2=0.1W, Value_Code=100R, ValueDisplayed=100, AEC Category=Q200, AEC Qualified=?, ComponentLink1Description="Datasheet link", ComponentLink1URL=http://industrial.panasonic.com/www-data/pdf/AOA0000/AOA0000CE2.pdf, CompType=Resistor, EIA_Code=E96, LatestRevisionDate=2017-03-09, MountType=SMT, PackageReference=0402, Published=2008-06-26, Publisher="Texas Instruments", Res_ohm=100, RoHS=Y, SizeArea_mm2=0.5, SizeX_mm=1, SizeY_mm=0.5, SizeZ_mm=0.6, Supplier 1=Digi-Key, Supplier 2=Newark, Supplier 3=Mouser, Supplier Part Number 2=64R5246, Supplier Part Number 3=667-ERJ-2RKF1000X, Technology="Thick Film", U/M=EA, Value1=1%, VDC_V=50V
R22 R23 R24 R25 R28 R31 R35 R37 R150 R151 R159: "RES, 1.0 k, 5%, 0.063 W, AEC-Q200 Grade 0, 0402", Alternate Manufacturer=YAGEO, Alternate PartNumber=RC0402JR-071KL, Manufacturer=Vishay-Dale, PartNumber=CRCW04021K00JNED, Power_W=63mW, Supplier Part Number 1=541-1.0KJCT-ND, TempCo="200 ppm/C", Tolerance_%=5%, Value2=0.063W, Value_Code=1k00, ValueDisplayed=1.0k, AEC Category=Q200, AEC Grade=0, AEC Qualified=Y, ComponentLink1Description="Datasheet link", ComponentLink1URL=http://www.vishay.com/docs/20035/dcrcwe3.pdf, CompType=Resistor, EIA_Code=E24, MountType=SMT, PackageReference=0402, Res_ohm=1k, RoHS=E, SizeArea_mm2=0.5, SizeX_mm=1, SizeY_mm=0.5, SizeZ_mm=0.6, Supplier 1=Digi-Key, Supplier 2=Newark, Supplier 3=Mouser, Supplier Part Number 2=59M6691, Supplier Part Number 3=71-CRCW0402J-1.0K-E3, Technology="Thick Film", Value1=5%, VDC_V=50V